# Altium PCB LED fix910 RD 2000278 (4F00223A_7P00493A).PcbDoc (part 2 of 3)
Units mm, origin at the board's own origin, x right, y up, seen from the top; angles counter-clockwise.
Board outline 400 x 514 mm, 2 copper layers (Top Layer, Bottom Layer); 391 components, 180 nets, 1316 pads, 0 vias.
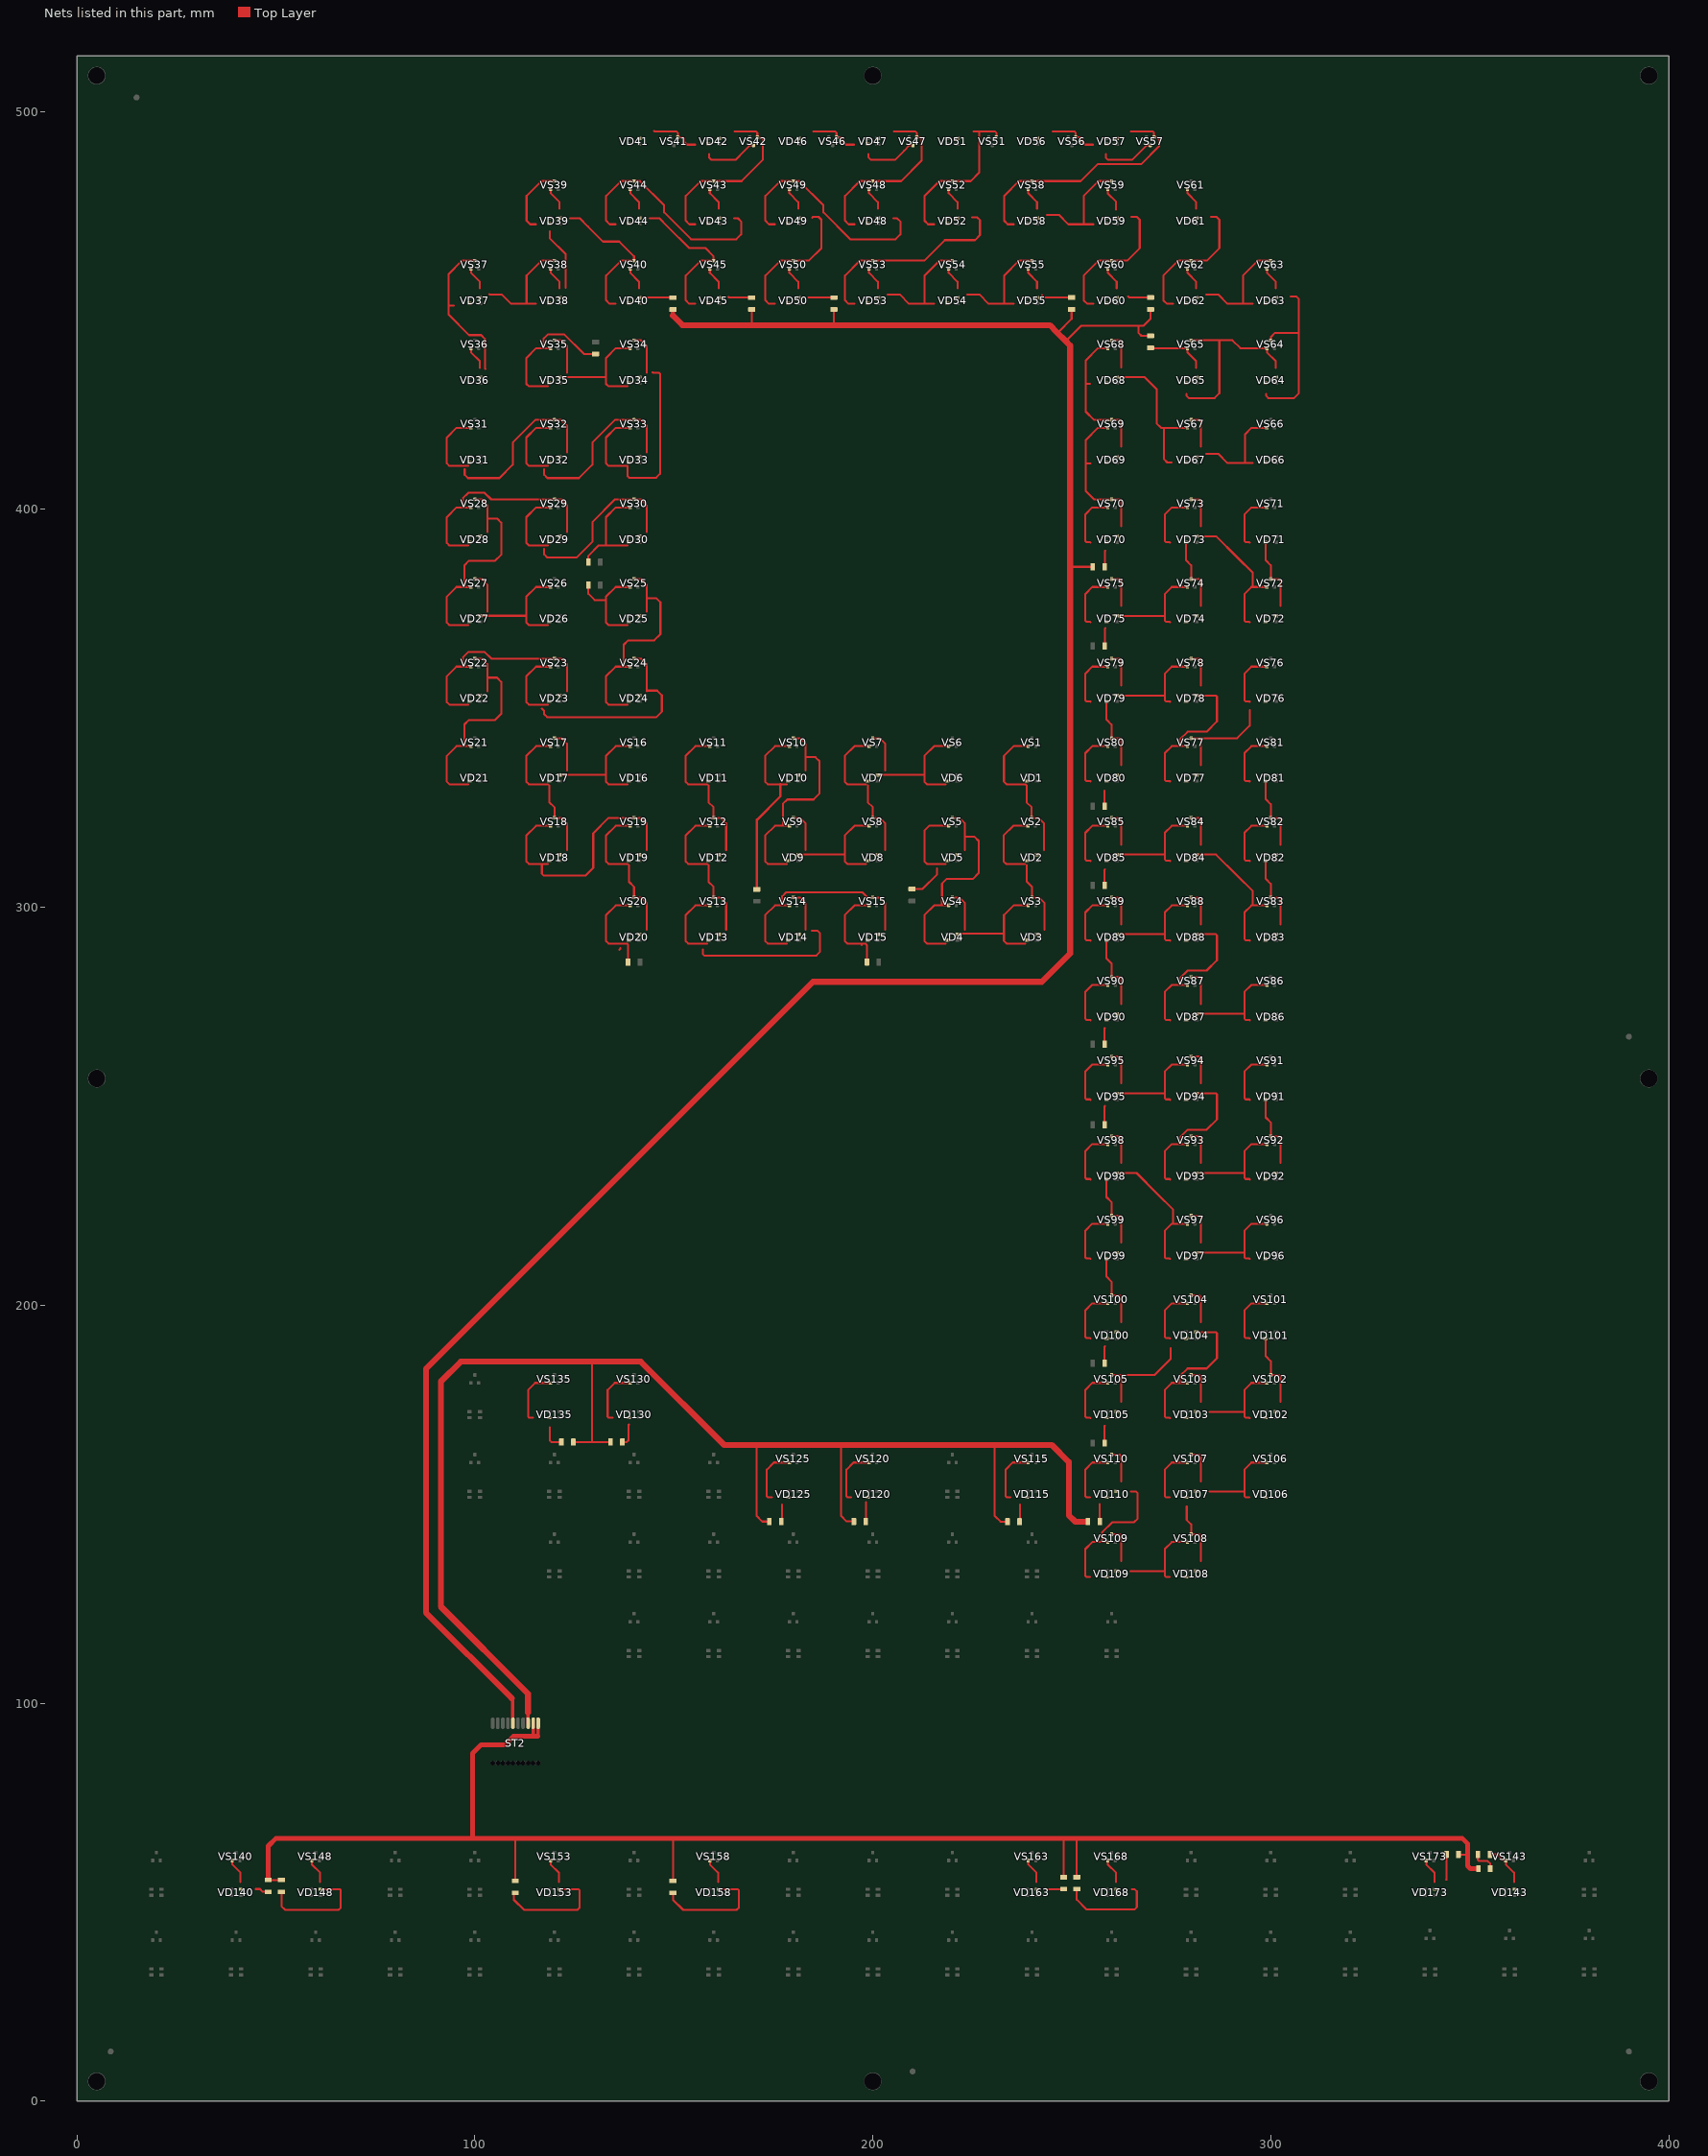
[diagram p2: the nets of this part, all layers, seen from the top]

## Nets (pads, with @x,y where several pads share a name; then routed paths per layer and width w, separated by ;. In a path a pad name is that pad's centre, name@x,y a point inside that pad or via, vN(x,y) a via of type N, cw(c..) or ccw(c..) an arc to the next point about the centre after c; other vN are vias at no path point) (continued)
D: R8.2 R9.2 R10.2 R11.2 R12.2 R13.2 R14.2 ST2.5 | length 612.6
  Top Layer w0.5: 169.55,446.275 169.584,446.309 R9.2@169.584,450.225 ; 190.05,446.275 190.219,446.444 R10.2@190.219,450.225 ; 246.175,444.575 246.65,444.575 249.95,447.875 R11.2@249.95,450.25 ; 248.463,442.287 252.325,446.15 266.675,446.15 ; 249.575,385.75 249.75,385.575 R14.2@255.275,385.575 ; R13.2@269.786,443.625 267.5,443.625 266.8,444.325 266.8,446.025 266.675,446.15 ; R12.2@269.786,450.25 269.786,447.911 268.025,446.15 266.675,446.15
  Top Layer w0.8: 109.25,101.275 109.465,101.06 109.465,96.165 109.58,96.05 ST2.5@109.58,95
  Top Layer w1: 149.775,448.7 149.775,450 R8.2@149.8,450.025
  Top Layer w1.5: 109.25,101.275 87.725,122.8 87.725,184.025 184.975,281.275 242.45,281.275 249.575,288.4 249.575,385.75 249.575,441.175 248.463,442.287 246.175,444.575 244.475,446.275 190.05,446.275 169.55,446.275 152.2,446.275 149.775,448.7
F: R22.2 R23.2 R24.2 R25.2 R26.2 R27.2 ST2.8 | length 378.2
  Top Layer w0.5: R27.2@124.75,165.65 129.412,165.65 ; 129.325,185.85 129.412,185.763 129.412,165.65 ; R26.2@134.075,165.65 129.412,165.65 ; 170.8,164.9 170.8,147.1 172.225,145.675 R25.2@174.025,145.675 ; 192.025,164.904 192.025,164.9 192.025,147.104 193.45,145.679 R24.2@195.25,145.679 ; 230.65,164.85 230.65,147.05 232.075,145.625 R23.2@233.875,145.625
  Top Layer w0.8: 113.376,97.675 113.39,97.661 ST2.8@113.39,95
  Top Layer w1.5: 113.376,97.675 113.376,102.374 91.475,124.275 91.475,180.875 96.45,185.85 129.325,185.85 141.675,185.85 162.625,164.9 170.8,164.9 192.025,164.9 230.65,164.9 244.975,164.9 249.275,160.6 249.275,147.2 250.85,145.625 R22.2@253.725,145.625
G: R28.2 R30.2 R31.2 R32.2 R33.2 R34.2 R35.2 R36.2 ST2.9 ST2.10 | length 411.5
  Top Layer w0.5: R28.2@48.079,55.6 R31.2@51.425,55.6 ; 110.15,66.075 110.163,66.062 R32.2@110.163,55.35 ; 149.525,66.075 149.81,65.79 R33.2@149.81,55.35 ; 247.9,66.075 247.957,66.018 R34.2@247.957,56.3 ; R35.2@251.25,56.3 251.25,66.05 251.275,66.075 ; R36.2@347.155,62.025 347.228,61.951 349.425,61.951
  Top Layer w0.8: 114.66,91.95 ST2.9@114.66,95 ; 115.819,91.675 115.93,91.786 ST2.10@115.93,95
  Top Layer w1.2: R28.2@48.079,55.825 48.079,64.104 50.05,66.075 110.15,66.075 149.525,66.075 247.9,66.075 251.275,66.075 348.1,66.075 349.425,64.75 349.425,61.951 349.425,59.153 350.128,58.45 R30.2@352.093,58.45 ; 99.45,66.778 99.45,87.425 101.575,89.55 107.575,89.55 109.7,91.675 115.819,91.675
NetR1_1: R1.1 VD5.1 VS5.1 | length 29.3
  Top Layer w0.5: R1.1@209.857,304.626 212.501,304.626 216.15,308.275 216.15,309.75 ; 214.85,320.525 214.825,320.5 ; 218.332,310.925 213.6,310.925 212.95,311.575 212.95,319.275 214.175,320.5 214.825,320.5 ; VS5.1@219.05,320.5 214.825,320.5
NetR2_1: R2.1 VD10.1 VS10.1 | length 48.1
  Top Layer w0.5: 178.332,330.925 176.825,330.925 173.6,330.925 172.95,331.575 172.95,338.05 175.4,340.5 VS10.1@179.05,340.5
  Top Layer w0.6: R2.1@170.855,304.52 170.9,304.565 170.9,322.025 176.825,327.95 176.825,330.925
NetR3_1: R3.1 VD15.1 VS15.1 | length 23.5
  Top Layer w0.5: 198.332,290.925 193.6,290.925 192.95,291.575 192.95,298.05 195.4,300.5 VS15.1@199.05,300.5 ; 198.425,290.55 198.5,290.475 R3.1@198.5,286.285
NetR4_1: R4.1 VD20.1 VS20.1 | length 24.2
  Top Layer w0.5: 136.3,289.35 136.525,289.575 136.525,289.8 ; 138.332,290.925 133.6,290.925 132.95,291.575 132.95,298.05 135.4,300.5 VS20.1@139.05,300.5 ; 138.475,290.6 138.5,290.575 R4.1@138.5,286.22
NetR5_1: R5.1 VD25.1 VS25.1 | length 26.5
  Top Layer w0.5: R5.1@128.525,380.95 128.525,378.8 130.1,377.225 132.95,377.225 ; 138.332,370.925 133.6,370.925 132.95,371.575 132.95,377.225 ; VS25.1@139.05,380.5 135.4,380.5 132.95,378.05 132.95,377.225
NetR6_1: R6.1 VD30.1 VS30.1 | length 26.6
  Top Layer w0.5: R6.1@128.525,386.75 128.525,388.325 131.125,390.925 138.332,390.925 ; 132.95,391.025 132.95,398.05 135.4,400.5 VS30.1@139.05,400.5
NetR7_1: R7.1 VD35.1 VS35.1 | length 37.2
  Top Layer w0.5: 118.332,430.925 113.6,430.925 112.95,431.575 112.95,438.05 115.4,440.5 117.325,440.5 ; VS35.1@119.05,440.5 117.325,440.5 ; R7.1@130.35,439.05 127.4,439.05 122.425,444.025 118.4,444.025 117.325,442.95 117.325,440.5
NetR8_1: R8.1 VD40.1 VS40.1 | length 14.4
  Top Layer w0.5: VS40.1@139.05,460.5 139.05,459.45 141.275,457.225 141.275,455.6 ; VD40.1@141.3,453.25 149.575,453.25 R8.1@149.8,453.025
NetR9_1: R9.1 VD45.1 VS45.1 | length 11.7
  Top Layer w0.5: VS45.1@159.05,460.5 159.05,459.45 161.275,457.225 161.275,455.6 ; 163.75,453.375 163.9,453.225 R9.1@169.584,453.225
NetR10_1: R10.1 VD50.1 VS50.1 | length 12.2
  Top Layer w0.5: VS50.1@179.05,460.5 179.05,459.45 181.275,457.225 181.275,455.6 ; 183.875,453.225 R10.1@190.219,453.225
NetR11_1: R11.1 VD55.1 VS55.1 | length 13.5
  Top Layer w0.5: VS55.1@239.05,460.5 239.05,459.45 241.275,457.225 241.275,455.6 ; 242.5,453.85 243.1,453.25 R11.1@249.95,453.25
NetR12_1: R12.1 VD60.1 VS60.1 | length 11.6
  Top Layer w0.5: VS60.1@259.05,460.5 259.05,459.45 261.275,457.225 261.275,455.6 ; 264.125,453.55 264.425,453.25 R12.1@269.786,453.25
NetR13_1: R13.1 VD65.1 VS65.1 | length 15.1
  Top Layer w0.5: R13.1@269.786,440.625 269.911,440.5 VS65.1@279.05,440.5 279.05,439.45 281.275,437.225 281.275,435.6
NetR14_1: R14.1 VD70.1 VS70.1 | length 18.8
  Top Layer w0.5: 254.725,391.625 254.6,391.75 253.668,391.75 253.375,392.043 253.375,398.725 255.15,400.5 VS70.1@259.05,400.5 ; R14.1@258.275,385.575 258.275,389.5 258.425,389.65
NetR15_1: R15.1 VD75.1 VS75.1 | length 19.3
  Top Layer w0.5: 254.725,371.625 254.6,371.75 253.668,371.75 253.375,372.043 253.375,378.725 255.15,380.5 VS75.1@259.05,380.5 ; R15.1@258.275,365.667 258.275,370.05 258.475,370.25
NetR16_1: R16.1 VD80.1 VS80.1 | length 18.6
  Top Layer w0.5: 254.725,331.625 254.6,331.75 253.668,331.75 253.375,332.043 253.375,338.725 255.15,340.5 VS80.1@259.05,340.5 ; 258.175,329.35 258.25,329.275 R16.1@258.25,325.412
NetR17_1: R17.1 VD85.1 VS85.1 | length 18.7
  Top Layer w0.5: 254.725,311.625 254.6,311.75 253.668,311.75 253.375,312.043 253.375,318.725 255.15,320.5 VS85.1@259.05,320.5 ; R17.1@258.25,305.532 258.25,309.475 258.35,309.575
NetR18_1: R18.1 VD90.1 VS90.1 | length 18.7
  Top Layer w0.5: 254.725,271.625 254.6,271.75 253.668,271.75 253.375,272.043 253.375,278.725 255.15,280.5 VS90.1@259.05,280.5 ; R18.1@258.25,265.648 258.25,269.6 258.325,269.675
NetR19_1: R19.1 VD95.1 VS95.1 | length 19.4
  Top Layer w0.5: 254.725,251.625 254.6,251.75 253.668,251.75 253.375,252.043 253.375,258.725 255.15,260.5 VS95.1@259.05,260.5 ; R19.1@258.25,245.352 258.25,250.025 258.325,250.1
NetR20_1: R20.1 VD100.1 VS100.1 | length 18.9
  Top Layer w0.5: 254.725,191.625 254.6,191.75 253.668,191.75 253.375,192.043 253.375,198.725 255.15,200.5 VS100.1@259.05,200.5 ; R20.1@258.25,185.434 258.25,189.625 258.3,189.675
NetR21_1: R21.1 VD105.1 VS105.1 | length 19
  Top Layer w0.5: 254.725,171.625 254.6,171.75 253.668,171.75 253.375,172.043 253.375,178.725 255.15,180.5 VS105.1@259.05,180.5 ; R21.1@258.25,165.377 258.25,169.675 258.3,169.725
NetR22_1: R22.1 VD110.1 VS110.1 | length 18.9
  Top Layer w0.5: 254.6,151.75 253.668,151.75 253.375,152.043 253.375,158.725 255.15,160.5 VS110.1@259.05,160.5 ; 257,150.025 257.05,149.975 R22.1@257.05,145.625
NetR23_1: R23.1 VD115.1 VS115.1 | length 18.8
  Top Layer w0.5: 234.6,151.75 233.668,151.75 233.375,152.043 233.375,158.725 235.15,160.5 VS115.1@239.05,160.5 ; R23.1@236.875,145.625 237.025,145.775 237.025,149.925
NetR24_1: R24.1 VD120.1 VS120.1 | length 19.3
  Top Layer w0.5: 194.6,151.75 193.668,151.75 193.375,152.043 193.375,158.725 195.15,160.5 VS120.1@199.05,160.5 ; R24.1@198.25,145.679 198.325,145.754 198.325,150.5
NetR25_1: R25.1 VD125.1 VS125.1 | length 18.7
  Top Layer w0.5: 174.6,151.75 173.668,151.75 173.375,152.043 173.375,158.725 175.15,160.5 VS125.1@179.05,160.5 ; R25.1@177.025,145.675 177.225,145.875 177.225,149.9
NetR26_1: R26.1 VD130.1 VS130.1 | length 20.2
  Top Layer w0.5: 134.6,171.75 133.668,171.75 133.375,172.043 133.375,178.725 135.15,180.5 VS130.1@139.05,180.5 ; R26.1@137.075,165.65 138.175,165.65 138.625,166.1 138.625,169.95 138.725,170.05
NetR27_1: R27.1 VD135.1 VS135.1 | length 20.9
  Top Layer w0.5: 114.6,171.75 113.668,171.75 113.375,172.043 113.375,178.725 115.15,180.5 VS135.1@119.05,180.5 ; 118.825,169.4 118.825,166.05 119.225,165.65 R27.1@121.75,165.65
NetR28_1: R28.1 VD140.1 VS140.1 | length 9.6
  Top Layer w0.5: VS140.1@39.06,60.49 39.06,59.508 41.135,57.433 41.135,55.083 ; 45,53.325 46.025,53.325 46.722,52.628 48.051,52.628 R28.1@48.079,52.6
NetR29_1: R29.1 VD143.1 VS143.1 | length 10.9
  Top Layer w0.5: R29.1@355.05,62.025 356.85,62.025 358.286,60.589 358.936,60.589 VS143.1@359.037,60.488 ; VS143.1@359.06,60.49 359.06,59.508 361.135,57.433 361.135,55.083
NetR29_2: R29.2 R30.1 | length 6.6
  Top Layer w0.5: R29.2@352.05,62.025 352.05,60.65 352.35,60.35 354.5,60.35 355.15,59.7 R30.1@355.15,58
NetR31_1: R31.1 VD148.1 VS148.1 | length 34.9
  Top Layer w0.5: R31.1@51.425,52.6 51.425,49 52.35,48.075 65.75,48.075 66.3,48.625 66.3,53.05 66.1,53.25 VD148.1@61.3,53.25 ; VS148.1@59.06,60.49 59.06,59.508 61.135,57.433 61.135,55.083
NetR32_1: R32.1 VD153.1 VS153.1 | length 35.3
  Top Layer w0.5: R32.1@109.81,52.35 109.81,50.615 112.35,48.075 125.75,48.075 126.3,48.625 126.3,53.05 126.1,53.25 VD153.1@121.3,53.25 ; VS153.1@119.06,60.49 119.06,59.508 121.135,57.433 121.135,55.083
NetR33_1: R33.1 VD158.1 VS158.1 | length 35.3
  Top Layer w0.5: R33.1@149.81,52.35 149.81,50.615 152.35,48.075 165.75,48.075 166.3,48.625 166.3,53.05 166.1,53.25 VD158.1@161.3,53.25 ; VS158.1@159.06,60.49 159.06,59.508 161.135,57.433 161.135,55.083
NetR34_1: R34.1 VD163.1 VS163.1 | length 11
  Top Layer w0.5: VS163.1@239.06,60.49 239.06,59.508 241.135,57.433 241.135,55.083 ; 243.35,53.525 243.575,53.3 R34.1@247.957,53.3
NetR35_1: R35.1 VD168.1 VS168.1 | length 30.7
  Top Layer w0.5: R35.1@251.25,53.3 251.25,50.65 253.75,48.15 265.725,48.15 266.35,48.775 266.35,52.725 265.85,53.225 265.175,53.225 265.1,53.3 ; VS168.1@259.06,60.49 259.06,59.508 261.135,57.433 261.135,55.083
NetR36_1: R36.1 VD173.1 VS173.1 | length 12.7
  Top Layer w0.5: VS173.1@339.06,60.49 339.06,59.508 341.135,57.433 341.135,55.083 ; 344.1,55.625 344.155,55.68 R36.1@344.155,62.025
NetVD1_1: VD1.1 VD2.2 VS1.1 VS2.3 | length 38.8
  Top Layer w0.5: VS1.1@239.05,340.5 235.4,340.5 232.95,338.05 232.95,331.575 233.6,330.925 238.332,330.925 238.625,330.632 238.625,326.425 239.9,325.15 VS2.3@239.9,322.5 241.65,322.5 243.05,321.1 243.05,314.35
NetVD2_1: VD2.1 VD3.2 VS2.1 VS3.3 | length 38.4
  Top Layer w0.5: 238.232,310.925 233.5,310.925 232.85,311.575 232.85,318.05 235.3,320.5 VS2.1@238.95,320.5 ; 238.725,310.632 238.725,306.425 240,305.15 VS3.3@240,302.5 241.75,302.5 243.15,301.1 243.15,294.35
NetVD3_1: VD3.1 VD4.2 VS3.1 VS4.3 | length 41.4
  Top Layer w0.5: VS4.3@220,302.5 221.75,302.5 223.15,301.1 223.15,294.35 ; VD4.2@221.3,293.25 221.45,293.4 232.95,293.4 ; 238.332,290.925 233.6,290.925 232.95,291.575 232.95,293.4 ; VS3.1@239.05,300.5 235.4,300.5 232.95,298.05 232.95,293.4
NetVD4_1: VD4.1 VD5.2 VS4.1 VS5.3 | length 57.5
  Top Layer w0.5: 218.332,290.925 213.6,290.925 212.95,291.575 212.95,298.05 215.4,300.5 217.4,300.5 ; VS4.1@219.05,300.5 217.4,300.5 ; VS5.3@220,322.5 221.75,322.5 223.15,321.1 223.15,317.725 ; 223.15,314.35 223.15,317.725 ; 217.4,300.5 217.4,305.975 218.525,307.1 225.1,307.1 226.625,308.625 226.625,316.675 225.575,317.725 223.15,317.725
NetVD6_1: VD6.1 VD7.2 VS6.1 VS7.3 | length 40.8
  Top Layer w0.5: VS7.3@200,342.5 201.75,342.5 203.15,341.1 203.15,334.35 ; VD7.2@201.743,333.275 212.8,333.275 ; 218.332,330.925 213.6,330.925 212.95,331.575 212.95,338.05 215.4,340.5 VS6.1@219.05,340.5
NetVD7_1: VD7.1 VD8.2 VS7.1 VS8.3 | length 38.4
  Top Layer w0.5: 198.332,330.925 193.6,330.925 192.95,331.575 192.95,338.05 195.4,340.5 VS7.1@199.05,340.5 ; 198.725,330.632 198.725,326.425 200,325.15 VS8.3@200,322.5 201.75,322.5 203.15,321.1 203.15,314.35
NetVD8_1: VD8.1 VD9.2 VS8.1 VS9.3 | length 40.8
  Top Layer w0.5: VS9.3@180,322.5 181.75,322.5 183.15,321.1 183.15,314.35 ; VD9.2@181.743,313.275 192.8,313.275 ; 198.332,310.925 193.6,310.925 192.95,311.575 192.95,318.05 195.4,320.5 VS8.1@199.05,320.5
NetVD9_1: VD9.1 VD10.2 VS9.1 VS10.3 | length 57.5
  Top Layer w0.5: 177.4,320.5 177.4,325.975 178.525,327.1 185.1,327.1 186.625,328.625 186.625,336.675 185.575,337.725 183.15,337.725 ; 178.332,310.925 173.6,310.925 172.95,311.575 172.95,318.05 175.4,320.5 VS9.1@179.05,320.5 ; VS10.3@180,342.5 181.75,342.5 183.15,341.1 183.15,334.35
NetVD11_1: VD11.1 VD12.2 VS11.1 VS12.3 | length 38.4
  Top Layer w0.5: 158.332,330.925 153.6,330.925 152.95,331.575 152.95,338.05 155.4,340.5 VS11.1@159.05,340.5 ; 158.725,330.632 158.725,326.425 160,325.15 VS12.3@160,322.5 161.75,322.5 163.15,321.1 163.15,314.35
NetVD12_1: VD12.1 VD13.2 VS12.1 VS13.3 | length 38.4
  Top Layer w0.5: 158.332,310.925 153.6,310.925 152.95,311.575 152.95,318.05 155.4,320.5 VS12.1@159.05,320.5 ; 158.725,310.632 158.725,306.425 160,305.15 VS13.3@160,302.5 161.75,302.5 163.15,301.1 163.15,294.35
NetVD13_1: VD13.1 VD14.2 VS13.1 VS14.3 | length 67.9
  Top Layer w0.5: 157.35,289.45 157.35,288.193 157.643,287.9 185.825,287.9 186.7,288.775 186.7,293.55 186.1,294.15 184.65,294.15 ; 158.332,290.925 153.6,290.925 152.95,291.575 152.95,298.05 155.4,300.5 VS13.1@159.05,300.5 ; VS14.3@180,302.5 181.75,302.5 183.15,301.1 183.15,294.35
NetVD14_1: VD14.1 VD15.2 VS14.1 VS15.3 | length 55.7
  Top Layer w0.5: 178.332,290.925 173.6,290.925 172.95,291.575 172.95,298.05 175.4,300.5 177.225,300.5 ; VS14.1@179.05,300.5 177.225,300.5 ; 203.15,294.35 203.15,301.1 201.75,302.5 VS15.3@200,302.5 198.65,302.5 197.375,303.775 178.25,303.775 177.225,302.75 177.225,300.5
NetVD16_1: VD16.1 VD17.2 VS16.1 VS17.3 | length 40.8
  Top Layer w0.5: VS17.3@120,342.5 121.75,342.5 123.15,341.1 123.15,334.35 ; VD17.2@121.743,333.275 132.8,333.275 ; 138.332,330.925 133.6,330.925 132.95,331.575 132.95,338.05 135.4,340.5 VS16.1@139.05,340.5
NetVD17_1: VD17.1 VD18.2 VS17.1 VS18.3 | length 38.4
  Top Layer w0.5: 118.332,330.925 113.6,330.925 112.95,331.575 112.95,338.05 115.4,340.5 VS17.1@119.05,340.5 ; 118.725,330.632 118.725,326.425 120,325.15 VS18.3@120,322.5 121.75,322.5 123.15,321.1 123.15,314.35
NetVD18_1: VD18.1 VD19.2 VS18.1 VS19.3 | length 66.7
  Top Layer w0.5: 118.332,310.925 116.85,310.925 ; VS18.1@119.05,320.5 115.4,320.5 112.95,318.05 112.95,311.575 113.6,310.925 116.85,310.925 ; 143.15,314.35 143.15,321.1 141.75,322.5 VS19.3@140,322.5 133.65,322.5 129.75,318.6 129.75,309.925 127.775,307.95 117.356,307.95 116.85,308.456 116.85,310.925
NetVD19_1: VD19.1 VD20.2 VS19.1 VS20.3 | length 38.4
  Top Layer w0.5: 138.332,310.925 133.6,310.925 132.95,311.575 132.95,318.05 135.4,320.5 VS19.1@139.05,320.5 ; 138.725,310.632 138.725,306.425 140,305.15 VS20.3@140,302.5 141.75,302.5 143.15,301.1 143.15,294.35
NetVD21_1: VD21.1 VD22.2 VS21.1 VS22.3 | length 57.5
  Top Layer w0.5: 97.4,340.5 97.4,345.975 98.525,347.1 105.1,347.1 106.625,348.625 106.625,356.675 105.575,357.725 103.15,357.725 ; 98.332,330.925 93.6,330.925 92.95,331.575 92.95,338.05 95.4,340.5 VS21.1@99.05,340.5 ; VS22.3@100,362.5 101.75,362.5 103.15,361.1 103.15,354.35
NetVD22_1: VD22.1 VD23.2 VS22.1 VS23.3 | length 56.3
  Top Layer w0.5: 98.332,350.925 93.6,350.925 92.95,351.575 92.95,358.05 95.4,360.5 97,360.5 ; VS22.1@99.05,360.5 97,360.5 ; 123.15,354.35 123.15,361.1 121.75,362.5 VS23.3@120,362.5 104.125,362.5 102.425,364.2 98.425,364.2 97,362.775 97,360.5
NetVD23_1: VD23.1 VD24.2 VS23.1 VS24.3 | length 69.9
  Top Layer w0.5: 116.85,349.95 117.45,349.35 117.45,348.5 118.15,347.8 145.625,347.8 147,349.175 147,353.275 145.8,354.475 143.55,354.475 143.525,354.45 ; 118.332,350.925 113.6,350.925 112.95,351.575 112.95,358.05 115.4,360.5 VS23.1@119.05,360.5 ; VS24.3@140,362.5 141.75,362.5 143.15,361.1 143.15,354.35
NetVD24_1: VD24.1 VD25.2 VS24.1 VS25.3 | length 57.5
  Top Layer w0.5: 137.4,360.5 137.4,365.975 138.525,367.1 145.1,367.1 146.625,368.625 146.625,376.675 145.575,377.725 143.15,377.725 ; 138.332,350.925 133.6,350.925 132.95,351.575 132.95,358.05 135.4,360.5 VS24.1@139.05,360.5 ; VS25.3@140,382.5 141.75,382.5 143.15,381.1 143.15,374.35
NetVD26_1: VD26.1 VD27.2 VS26.1 VS27.3 | length 40.8
  Top Layer w0.5: VS27.3@100,382.5 101.75,382.5 103.15,381.1 103.15,374.35 ; VD27.2@101.743,373.275 112.8,373.275 ; 118.332,370.925 113.6,370.925 112.95,371.575 112.95,378.05 115.4,380.5 VS26.1@119.05,380.5
NetVD27_1: VD27.1 VD28.2 VS27.1 VS28.3 | length 57.5
  Top Layer w0.5: 97.4,380.5 97.4,385.975 98.525,387.1 105.1,387.1 106.625,388.625 106.625,396.675 105.575,397.725 103.15,397.725 ; 98.332,370.925 93.6,370.925 92.95,371.575 92.95,378.05 95.4,380.5 VS27.1@99.05,380.5 ; VS28.3@100,402.5 101.75,402.5 103.15,401.1 103.15,394.35
NetVD28_1: VD28.1 VD29.2 VS28.1 VS29.3 | length 56.3
  Top Layer w0.5: 97,400.5 97,402.775 98.425,404.2 102.425,404.2 104.125,402.5 VS29.3@120,402.5 121.75,402.5 123.15,401.1 123.15,394.35 ; 98.332,390.925 93.6,390.925 92.95,391.575 92.95,398.05 95.4,400.5 VS28.1@99.05,400.5
NetVD29_1: VD29.1 VD30.2 VS29.1 VS30.3 | length 62.9
  Top Layer w0.5: 117.45,390.05 117.45,388.675 118.25,387.875 125.525,387.875 129.525,391.875 129.525,396.825 135.2,402.5 VS30.3@140,402.5 141.75,402.5 143.15,401.1 143.15,394.35 ; 118.332,390.925 113.6,390.925 112.95,391.575 112.95,398.05 115.4,400.5 VS29.1@119.05,400.5
NetVD31_1: VD31.1 VD32.2 VS31.1 VS32.3 | length 63.3
  Top Layer w0.5: 97.45,410.05 97.45,408.675 98.25,407.875 106.175,407.875 109.525,411.225 109.525,416.825 115.2,422.5 VS32.3@120,422.5 121.75,422.5 123.15,421.1 123.15,414.35 ; 98.332,410.925 93.6,410.925 92.95,411.575 92.95,418.05 95.4,420.5 VS31.1@99.05,420.5
NetVD32_1: VD32.1 VD33.2 VS32.1 VS33.3 | length 64
  Top Layer w0.5: 117.45,410.05 117.45,408.675 118.25,407.875 126.175,407.875 129.525,411.225 129.525,416.825 135.2,422.5 VS33.3@140,422.5 141.75,422.5 143.15,421.1 143.15,414.35 ; 118.332,410.925 113.6,410.925 112.95,411.575 112.95,418.05 115.4,420.5 VS32.1@119.05,420.5 ; VD33.2@141.3,413.25 141.45,413.4 141.868,413.4 141.893,413.425
NetVD33_1: VD33.1 VD34.2 VS33.1 VS34.3 | length 68.2
  Top Layer w0.5: VS33.1@139.05,420.5 135.4,420.5 132.95,418.05 132.95,411.575 133.6,410.925 138.332,410.925 138.332,408.418 138.8,407.95 145.55,407.95 146.55,408.95 146.55,434.057 146.257,434.35 144.75,434.35 144.65,434.45 ; VS34.3@140,442.5 141.75,442.5 143.15,441.1 143.15,434.35
NetVD34_1: VD34.1 VD35.2 VS34.1 VS35.3 | length 40.8
  Top Layer w0.5: VS35.3@120,442.5 121.75,442.5 123.15,441.1 123.15,434.35 ; VD35.2@121.743,433.275 132.8,433.275 ; 138.332,430.925 133.6,430.925 132.95,431.575 132.95,438.05 135.4,440.5 VS34.1@139.05,440.5
NetVD36_1: VD36.1 VD37.2 VS36.1 VS37.3 | length 44.7
  Top Layer w0.5: 94.75,451.2 93.4,451.2 ; VS36.1@99.05,440.5 99.05,439.45 101.275,437.225 101.275,435.6 ; VS37.3@100,462.5 96.75,462.5 93.4,459.15 93.4,451.2 ; 102.65,435.25 102.55,435.35 102.55,442.85 101.6,443.8 98.55,443.8 93.4,448.95 93.4,451.2
NetVD37_1: VD37.1 VD38.2 VS37.1 VS38.3 | length 34.3
  Top Layer w0.5: VS37.1@99.05,460.5 99.05,459.45 101.275,457.225 101.275,455.6 ; 103.625,454.1 103.725,454 106.775,454 109.125,451.65 113,451.65 ; 115.4,451.65 113,451.65 ; VS38.3@120,462.5 116.725,462.5 113,458.775 113,451.65
NetVD38_1: VD38.1 VD39.2 VS38.1 VS39.3 | length 39.2
  Top Layer w0.5: 115.4,471.65 113.9,471.65 113,472.55 113,478.775 116.725,482.5 VS39.3@120,482.5 ; 118.825,469.85 118.825,468.125 122.825,464.125 122.825,455.65 ; VS38.1@119.05,460.5 119.05,459.45 121.275,457.225 121.275,455.6
NetVD39_1: VD39.1 VD40.2 VS39.1 VS40.3 | length 44.5
  Top Layer w0.5: VS39.1@119.05,480.5 119.05,479.45 121.275,477.225 121.275,475.6 ; 123.935,473.15 126.35,473.15 128.425,471.075 132.2,467.3 136.3,467.3 140,463.6 VS40.3@140,462.5 136.725,462.5 133,458.775 133,452.55 133.9,451.65 135.4,451.65
NetVD41_1: VD41.1 VD42.2 VS41.1 VS42.3 | length 26.7
  Top Layer w0.5: 145,495.125 145.2,494.925 150.691,494.925 150.984,494.632 VS41.1@150.984,493.5 152.282,493.5 152.575,493.207 152.575,492.45 153.375,491.65 155.325,491.65 ; 158.859,489.3 158.859,488.425 159.459,487.825 165.5,487.825 167.775,490.1 169.175,491.5 VS42.3@170.043,491.5
NetVD42_1: VD42.1 VD43.2 VS42.1 VS43.3 | length 45.8
  Top Layer w0.5: 155.4,471.65 153.9,471.65 153,472.55 153,478.775 156.725,482.5 VS43.3@160,482.5 167,482.5 172.4,487.9 172.4,492.85 171.797,493.453 171.04,493.453 VS42.1@170.993,493.5 170.993,494.632 170.7,494.925 165.209,494.925
NetVD43_1: VD43.1 VD44.2 VS43.1 VS44.3 | length 63.2
  Top Layer w0.5: 135.4,471.65 133.9,471.65 133,472.55 133,478.775 136.725,482.5 VS44.3@140,482.5 141.475,482.5 147.575,476.4 147.575,474.625 154.325,467.875 165.725,467.875 166.925,469.075 166.925,472.325 166.1,473.15 165.175,473.15 ; VS43.1@159.05,480.5 159.05,479.45 161.275,477.225 161.275,475.6
NetVD44_1: VD44.1 VD45.2 VS44.1 VS45.3 | length 44.5
  Top Layer w0.5: VS44.1@139.05,480.5 139.05,479.45 141.275,477.225 141.275,475.6 ; 143.935,473.15 146.35,473.15 148.425,471.075 153.825,465.675 157.925,465.675 160,463.6 VS45.3@160,462.5 156.725,462.5 153,458.775 153,452.55 153.9,451.65 155.4,451.65
NetVD46_1: VD46.1 VD47.2 VS46.1 VS47.3 | length 26.4
  Top Layer w0.5: 185.094,494.925 190.585,494.925 190.878,494.632 VS46.1@190.878,493.5 192.176,493.5 192.469,493.207 192.469,492.45 193.269,491.65 195.219,491.65 ; 198.912,489.3 198.912,488.425 199.512,487.825 205.553,487.825 207.828,490.1 209.228,491.5 VS47.3@210.096,491.5
NetVD47_1: VD47.1 VD48.2 VS47.1 VS48.3 | length 45.8
  Top Layer w0.5: 195.4,471.65 193.9,471.65 193,472.55 193,478.775 196.725,482.5 VS48.3@200,482.5 207.125,482.5 212.275,487.65 212.275,493.125 211.9,493.5 VS47.1@211.046,493.5 211.046,494.632 210.753,494.925 205.262,494.925
NetVD48_1: VD48.1 VD49.2 VS48.1 VS49.3 | length 63.2
  Top Layer w0.5: 175.4,471.65 173.9,471.65 173,472.55 173,478.775 176.725,482.5 VS49.3@180,482.5 181.475,482.5 187.575,476.4 187.575,474.625 194.325,467.875 205.725,467.875 206.925,469.075 206.925,472.325 206.1,473.15 205.175,473.15 ; VS48.1@199.05,480.5 199.05,479.45 201.275,477.225 201.275,475.6
NetVD49_1: VD49.1 VD50.2 VS49.1 VS50.3 | length 41.6
  Top Layer w0.5: 175.4,451.65 173.9,451.65 173,452.55 173,458.775 176.725,462.5 VS50.3@180,462.5 183.925,462.5 187.075,465.65 187.075,472.8 186.35,473.525 184.975,473.525 184.775,473.325 ; VS49.1@179.05,480.5 179.05,479.45 181.275,477.225 181.275,475.6
NetVD51_1: VD51.1 VD52.2 VS51.1 VS52.3 | length 42.5
  Top Layer w0.5: 215.4,471.65 213.9,471.65 213,472.55 213,478.775 216.725,482.5 VS52.3@220,482.5 224.6,482.5 226.7,484.6 226.7,494.925 ; 225.247,494.925 226.7,494.925 ; VS51.1@231.031,493.5 231.031,494.632 230.738,494.925 226.7,494.925
NetVD52_1: VD52.1 VD53.2 VS52.1 VS53.3 | length 59
  Top Layer w0.5: 195.4,451.65 193.9,451.65 193,452.55 193,458.775 196.725,462.5 VS53.3@200,462.5 212.9,462.5 218.075,467.675 225.675,467.675 226.925,468.925 226.925,472.7 226.25,473.375 224.975,473.375 ; VS52.1@219.05,480.5 219.05,479.45 221.275,477.225 221.275,475.6
NetVD53_1: VD53.1 VD54.2 VS53.1 VS54.3 | length 34.1
  Top Layer w0.5: VS53.1@199.05,460.5 199.05,459.45 201.275,457.225 201.275,455.6 ; 203.725,454 206.775,454 209.125,451.65 213.9,451.65 215.4,451.65 ; 213,451.725 213,458.775 216.725,462.5 VS54.3@220,462.5
NetVD54_1: VD54.1 VD55.2 VS54.1 VS55.3 | length 35.5
  Top Layer w0.5: VS54.1@219.05,460.5 219.05,459.45 221.275,457.225 221.275,455.6 ; 223.725,454 226.775,454 229.125,451.65 235.4,451.65 233.9,451.65 ; 233,451.75 233,458.775 236.725,462.5 VS55.3@240,462.5
NetVD56_1: VD56.1 VD57.2 VS56.1 VS57.3 | length 26.4
  Top Layer w0.5: 245.202,494.925 250.693,494.925 250.986,494.632 VS56.1@250.986,493.5 252.284,493.5 252.577,493.207 252.577,492.45 253.377,491.65 255.327,491.65 ; 258.532,489.3 258.532,488.425 259.132,487.825 265.173,487.825 267.448,490.1 268.848,491.5 VS57.3@269.715,491.5
NetVD57_1: VD57.1 VD58.2 VS57.1 VS58.3 | length 63.4
  Top Layer w0.5: 235.4,471.65 233.9,471.65 233,472.55 233,478.775 236.725,482.5 VS58.3@240,482.5 252.225,482.5 256.475,486.75 267.4,486.75 271.95,491.3 271.95,493.05 271.509,493.491 270.674,493.491 VS57.1@270.665,493.5 270.665,494.632 270.373,494.925 264.882,494.925
NetVD58_1: VD58.1 VD59.2 VS58.1 VS59.3 | length 35.6
  Top Layer w0.5: VS58.1@239.05,480.5 239.05,479.45 241.275,477.225 241.275,475.6 ; 243.725,474 246.775,474 249.125,471.65 255.4,471.65 253.9,471.65 ; 253,471.725 253,478.775 256.725,482.5 VS59.3@260,482.5
NetVD59_1: VD59.1 VD60.2 VS59.1 VS60.3 | length 41.5
  Top Layer w0.5: 255.4,451.65 253.9,451.65 253,452.55 253,458.775 256.725,462.5 VS60.3@260,462.5 263.925,462.5 267.075,465.65 267.075,472.8 266.35,473.525 264.975,473.525 ; VS59.1@259.05,480.5 259.05,479.375 261.15,477.275 261.15,475.35
NetVD61_1: VD61.1 VD62.2 VS61.1 VS62.3 | length 41.3
  Top Layer w0.5: 275.4,451.65 273.9,451.65 273,452.55 273,458.775 276.725,462.5 VS62.3@280,462.5 283.925,462.5 287.075,465.65 287.075,472.8 286.35,473.525 284.975,473.525 ; VS61.1@279.05,480.5 279.05,479.45 281.275,477.225 281.275,475.6
NetVD62_1: VD62.1 VD63.2 VS62.1 VS63.3 | length 35.5
  Top Layer w0.5: VS62.1@279.05,460.5 279.05,459.45 281.275,457.225 281.275,455.6 ; 283.725,454 286.775,454 289.125,451.65 295.4,451.65 293.9,451.65 ; 293,451.75 293,458.775 296.725,462.5 VS63.3@300,462.5
NetVD63_1: VD63.1 VD64.2 VS63.1 VS64.3 | length 49.6
  Top Layer w0.5: 298.85,429.025 298.85,428.5 299.375,427.975 305.875,427.975 307.075,429.175 307.075,444.375 ; VS63.1@299.05,460.5 299.05,459.45 301.275,457.225 301.275,455.6 ; VS64.3@300,442.5 300.026,442.526 300.026,443.326 301.075,444.375 307.075,444.375 ; 304.975,453.525 306.35,453.525 307.075,452.8 307.075,444.375
NetVD64_1: VD64.1 VD65.2 VS64.1 VS65.3 | length 48.5
  Top Layer w0.5: 278.85,429.025 278.85,428.5 279.375,427.975 285.875,427.975 287.075,429.175 287.075,442.5 ; VS65.3@280,442.5 290.375,442.5 292.375,440.5 VS64.1@299.05,440.5 299.05,439.45 301.275,437.225 301.275,435.6
NetVD66_1: VD66.1 VD67.2 VS66.1 VS67.3 | length 35
  Top Layer w0.5: VS67.3@280,422.5 282.025,422.5 282.45,422.075 282.45,415.75 ; 283.725,414 286.775,414 289.125,411.65 293.525,411.65 ; 295.4,411.65 293.525,411.65 ; VS66.1@299.05,420.5 295.175,420.5 293.525,418.85 293.525,411.65
NetVD67_1: VD67.1 VD68.2 VS67.1 VS68.3 | length 47.3
  Top Layer w0.5: VS68.3@260,442.5 262.025,442.5 262.45,442.075 262.45,435.75 262.375,435.675 ; VD68.2@261.3,433.25 268.3,433.25 271.325,430.225 271.325,421.6 272.425,420.5 273.175,420.5 ; 275.075,411.8 274,411.8 273.125,412.675 273.125,420.45 273.175,420.5 ; VS67.1@279.05,420.5 273.175,420.5
NetVD68_1: VD68.1 VD69.2 VS68.1 VS69.3 | length 37.1
  Top Layer w0.5: 254.625,431.55 253.525,431.55 253.5,431.575 ; VS68.1@259.05,440.5 256.6,440.5 253.5,437.4 253.5,431.575 ; 262.45,415.75 262.45,422.075 262.025,422.5 VS69.3@260,422.5 255.575,422.5 253.5,424.575 253.5,431.575
NetVD69_1: VD69.1 VD70.2 VS69.1 VS70.3 | length 37.2
  Top Layer w0.5: 254.675,411.6 253.525,411.6 253.5,411.575 ; VS69.1@259.05,420.5 256.6,420.5 253.5,417.4 253.5,411.575 ; 262.45,395.75 262.45,402.075 262.025,402.5 VS70.3@260,402.5 255.575,402.5 253.5,404.575 253.5,411.575
NetVD71_1: VD71.1 VD72.2 VS71.1 VS72.3 | length 33.4
  Top Layer w0.5: 294.725,391.625 294.6,391.75 293.668,391.75 293.375,392.043 293.375,398.725 295.15,400.5 VS71.1@299.05,400.5 ; VD71.1@298.7,391.75 298.7,387.225 300,385.925 VS72.3@300,382.5 302.025,382.5 302.45,382.075 302.45,375.75
NetVD72_1: VD72.1 VD73.2 VS72.1 VS73.3 | length 45
  Top Layer w0.5: VS73.3@280,402.5 282.025,402.5 282.45,402.075 282.45,395.75 ; VD73.2@281.3,393.25 286.275,393.25 291.475,388.05 295.475,384.05 295.475,380.625 ; 294.725,371.625 294.6,371.75 293.668,371.75 293.375,372.043 293.375,378.725 295.15,380.5 295.475,380.5 VS72.1@299.05,380.5
NetVD73_1: VD73.1 VD74.2 VS73.1 VS74.3 | length 33.4
  Top Layer w0.5: 274.725,391.625 274.6,391.75 273.668,391.75 273.375,392.043 273.375,398.725 275.15,400.5 VS73.1@279.05,400.5 ; VD73.1@278.7,391.75 278.7,387.225 280,385.925 VS74.3@280,382.5 282.025,382.5 282.45,382.075 282.45,375.75
NetVD74_1: VD74.1 VD75.2 VS74.1 VS75.3 | length 35.7
  Top Layer w0.5: VS75.3@260,382.5 262.025,382.5 262.45,382.075 262.45,375.75 ; VD75.2@261.3,373.25 273.35,373.25 273.375,373.225 ; 274.725,371.625 274.6,371.75 273.668,371.75 273.375,372.043 273.375,373.225 ; VS74.1@279.05,380.5 275.15,380.5 273.375,378.725 273.375,373.225
NetVD76_1: VD76.1 VD77.2 VS76.1 VS77.3 | length 41.3
  Top Layer w0.5: VS77.3@280,342.5 291.575,342.5 294.7,345.625 294.7,349.625 ; 282.45,335.75 282.45,342.425 ; 294.725,351.625 294.6,351.75 293.668,351.75 293.375,352.043 293.375,358.725 295.15,360.5 VS76.1@299.05,360.5
NetVD77_1: VD77.1 VD78.2 VS77.1 VS78.3 | length 48
  Top Layer w0.5: 274.725,331.625 274.6,331.75 273.668,331.75 273.375,332.043 273.375,338.725 275.15,340.5 VS77.1@279.05,340.5 ; 277.1,340.5 277.1,342.15 279.075,344.125 283.875,344.125 286.475,346.725 286.475,352.957 286.182,353.25 VD78.2@281.3,353.25 ; VS78.3@280,362.5 282.025,362.5 282.45,362.075 282.45,355.75
NetVD78_1: VD78.1 VD79.2 VS78.1 VS79.3 | length 35.4
  Top Layer w0.5: VS79.3@260,362.5 262.025,362.5 262.45,362.075 262.45,355.75 ; VD79.2@261.3,353.25 273.15,353.25 ; 274.725,351.625 274.6,351.75 273.668,351.75 273.375,352.043 273.375,353.475 273.375,358.725 275.15,360.5 VS78.1@279.05,360.5
NetVD79_1: VD79.1 VD80.2 VS79.1 VS80.3 | length 33.4
  Top Layer w0.5: 254.725,351.625 254.6,351.75 253.668,351.75 253.375,352.043 253.375,358.725 255.15,360.5 VS79.1@259.05,360.5 ; VD79.1@258.7,351.75 258.7,347.225 260,345.925 VS80.3@260,342.5 262.025,342.5 262.45,342.075 262.45,335.75
NetVD81_1: VD81.1 VD82.2 VS81.1 VS82.3 | length 33.4
  Top Layer w0.5: 294.725,331.625 294.6,331.75 293.668,331.75 293.375,332.043 293.375,338.725 295.15,340.5 VS81.1@299.05,340.5 ; VD81.1@298.7,331.75 298.7,327.225 300,325.925 VS82.3@300,322.5 302.025,322.5 302.45,322.075 302.45,315.75
NetVD82_1: VD82.1 VD83.2 VS82.1 VS83.3 | length 33.4
  Top Layer w0.5: 294.725,311.625 294.6,311.75 293.668,311.75 293.375,312.043 293.375,318.725 295.15,320.5 VS82.1@299.05,320.5 ; VD82.1@298.7,311.75 298.7,307.225 300,305.925 VS83.3@300,302.5 302.025,302.5 302.45,302.075 302.45,295.75
NetVD83_1: VD83.1 VD84.2 VS83.1 VS84.3 | length 45
  Top Layer w0.5: VS84.3@280,322.5 282.025,322.5 282.45,322.075 282.45,315.75 ; VD84.2@281.3,313.25 286.275,313.25 291.475,308.05 295.475,304.05 295.475,300.625 ; 294.725,291.625 294.6,291.75 293.668,291.75 293.375,292.043 293.375,298.725 295.15,300.5 VS83.1@299.05,300.5
NetVD84_1: VD84.1 VD85.2 VS84.1 VS85.3 | length 35.7
  Top Layer w0.5: VS85.3@260,322.5 262.025,322.5 262.45,322.075 262.45,315.75 ; VD85.2@261.3,313.25 273.35,313.25 273.375,313.275 ; 274.725,311.625 274.6,311.75 273.668,311.75 273.375,312.043 273.375,313.275 ; VS84.1@279.05,320.5 275.15,320.5 273.375,318.725 273.375,313.275
NetVD86_1: VD86.1 VD87.2 VS86.1 VS87.3 | length 35.7
  Top Layer w0.5: VS87.3@280,282.5 282.025,282.5 282.45,282.075 282.45,275.75 ; VD87.2@281.3,273.25 293.275,273.25 293.375,273.35 ; 294.725,271.625 294.6,271.75 293.668,271.75 293.375,272.043 293.375,273.35 ; VS86.1@299.05,280.5 295.15,280.5 293.375,278.725 293.375,273.35
NetVD87_1: VD87.1 VD88.2 VS87.1 VS88.3 | length 48
  Top Layer w0.5: 274.725,271.625 274.6,271.75 273.668,271.75 273.375,272.043 273.375,278.725 275.15,280.5 VS87.1@279.05,280.5 ; 277.1,280.5 277.1,282.15 279.075,284.125 283.875,284.125 286.475,286.725 286.475,292.957 286.182,293.25 VD88.2@281.3,293.25 ; VS88.3@280,302.5 282.025,302.5 282.45,302.075 282.45,295.75
NetVD88_1: VD88.1 VD89.2 VS88.1 VS89.3 | length 35.7
  Top Layer w0.5: VS89.3@260,302.5 262.025,302.5 262.45,302.075 262.45,295.75 ; VD89.2@261.3,293.25 273.35,293.25 273.375,293.225 ; 274.725,291.625 274.6,291.75 273.668,291.75 273.375,292.043 273.375,293.225 ; VS88.1@279.05,300.5 275.15,300.5 273.375,298.725 273.375,293.225
NetVD89_1: VD89.1 VD90.2 VS89.1 VS90.3 | length 33.4
  Top Layer w0.5: 254.725,291.625 254.6,291.75 253.668,291.75 253.375,292.043 253.375,298.725 255.15,300.5 VS89.1@259.05,300.5 ; VD89.1@258.7,291.75 258.7,287.225 260,285.925 VS90.3@260,282.5 262.025,282.5 262.45,282.075 262.45,275.75
NetVD91_1: VD91.1 VD92.2 VS91.1 VS92.3 | length 33.4
  Top Layer w0.5: 294.725,251.625 294.6,251.75 293.668,251.75 293.375,252.043 293.375,258.725 295.15,260.5 VS91.1@299.05,260.5 ; VD91.1@298.7,251.75 298.7,247.225 300,245.925 VS92.3@300,242.5 302.025,242.5 302.45,242.075 302.45,235.75
NetVD92_1: VD92.1 VD93.2 VS92.1 VS93.3 | length 35.6
  Top Layer w0.5: VS93.3@280,242.5 282.025,242.5 282.45,242.075 282.45,235.75 ; VD93.2@281.3,233.25 293.375,233.25 ; 294.725,231.625 294.6,231.75 293.668,231.75 293.375,232.043 293.375,233.25 ; VS92.1@299.05,240.5 295.15,240.5 293.375,238.725 293.375,233.25
NetVD93_1: VD93.1 VD94.2 VS93.1 VS94.3 | length 48
  Top Layer w0.5: 274.725,231.625 274.6,231.75 273.668,231.75 273.375,232.043 273.375,238.725 275.15,240.5 VS93.1@279.05,240.5 ; 277.1,240.5 277.1,242.15 279.075,244.125 283.875,244.125 286.475,246.725 286.475,252.957 286.182,253.25 VD94.2@281.3,253.25 ; VS94.3@280,262.5 282.025,262.5 282.45,262.075 282.45,255.75
NetVD94_1: VD94.1 VD95.2 VS94.1 VS95.3 | length 35.7
  Top Layer w0.5: VS95.3@260,262.5 262.025,262.5 262.45,262.075 262.45,255.75 ; VD95.2@261.3,253.25 273.3,253.25 273.375,253.325 ; 274.725,251.625 274.6,251.75 273.668,251.75 273.375,252.043 273.375,253.325 ; VS94.1@279.05,260.5 275.15,260.5 273.375,258.725 273.375,253.325
NetVD96_1: VD96.1 VD97.2 VS96.1 VS97.3 | length 35.7
  Top Layer w0.5: VS97.3@280,222.5 282.025,222.5 282.45,222.075 282.45,215.75 ; VD97.2@281.3,213.25 293.35,213.25 293.375,213.275 ; 294.725,211.625 294.6,211.75 293.668,211.75 293.375,212.043 293.375,213.275 ; VS96.1@299.05,220.5 295.15,220.5 293.375,218.725 293.375,213.275
NetVD97_1: VD97.1 VD98.2 VS97.1 VS98.3 | length 45
  Top Layer w0.5: VS98.3@260,242.5 262.025,242.5 262.45,242.075 262.45,235.75 ; VD98.2@261.3,233.25 266.275,233.25 271.475,228.05 275.475,224.05 275.475,220.625 ; 274.725,211.625 274.6,211.75 273.668,211.75 273.375,212.043 273.375,218.725 275.15,220.5 VS97.1@279.05,220.5
NetVD98_1: VD98.1 VD99.2 VS98.1 VS99.3 | length 33.4
  Top Layer w0.5: 254.725,231.625 254.6,231.75 253.668,231.75 253.375,232.043 253.375,238.725 255.15,240.5 VS98.1@259.05,240.5 ; VD98.1@258.7,231.75 258.7,227.225 260,225.925 VS99.3@260,222.5 262.025,222.5 262.45,222.075 262.45,215.75
NetVD99_1: VD99.1 VD100.2 VS99.1 VS100.3 | length 33.4
  Top Layer w0.5: 254.725,211.625 254.6,211.75 253.668,211.75 253.375,212.043 253.375,218.725 255.15,220.5 VS99.1@259.05,220.5 ; VD99.1@258.7,211.75 258.7,207.225 260,205.925 VS100.3@260,202.5 262.025,202.5 262.45,202.075 262.45,195.75
NetVD101_1: VD101.1 VD102.2 VS101.1 VS102.3 | length 33.4
  Top Layer w0.5: 294.725,191.625 294.6,191.75 293.668,191.75 293.375,192.043 293.375,198.725 295.15,200.5 VS101.1@299.05,200.5 ; VD101.1@298.7,191.75 298.7,187.225 300,185.925 VS102.3@300,182.5 302.025,182.5 302.45,182.075 302.45,175.75
NetVD102_1: VD102.1 VD103.2 VS102.1 VS103.3 | length 32.3
  Top Layer w0.5: VS103.3@280,182.5 282.025,182.5 282.45,182.075 282.45,175.75 ; 284.675,173.225 293.3,173.225 293.375,173.15 ; 294.725,171.625 294.6,171.75 293.668,171.75 293.375,172.043 293.375,173.15 ; VS102.1@299.05,180.5 295.15,180.5 293.375,178.725 293.375,173.15
NetVD103_1: VD103.1 VD104.2 VS103.1 VS104.3 | length 48
  Top Layer w0.5: 274.725,171.625 274.6,171.75 273.668,171.75 273.375,172.043 273.375,178.725 275.15,180.5 277.1,180.5 ; VS103.1@279.05,180.5 277.1,180.5 ; VS104.3@280,202.5 282.025,202.5 282.45,202.075 282.45,195.75 ; VD104.2@281.3,193.25 286.182,193.25 286.475,192.957 286.475,186.725 283.875,184.125 279.075,184.125 277.1,182.15 277.1,180.5
NetVD104_1: VD104.1 VD105.2 VS104.1 VS105.3 | length 40.6
  Top Layer w0.5: VS105.3@260,182.5 262.45,182.5 270.85,182.5 274.825,186.475 274.825,189.25 ; 262.45,175.75 262.45,182.475 ; 274.725,191.625 274.6,191.75 273.668,191.75 273.375,192.043 273.375,198.725 275.15,200.5 VS104.1@279.05,200.5
NetVD106_1: VD106.1 VD107.2 VS106.1 VS107.3 | length 32.1
  Top Layer w0.5: VS107.3@280,162.5 282.025,162.5 282.45,162.075 282.45,155.75 ; 284.675,153.225 293.3,153.225 293.375,153.15 ; 294.6,151.75 293.668,151.75 293.375,152.043 293.375,153.15 ; VS106.1@299.05,160.5 295.15,160.5 293.375,158.725 293.375,153.15
NetVD107_1: VD107.1 VD108.2 VS107.1 VS108.3 | length 30.9
  Top Layer w0.5: 274.6,151.75 273.668,151.75 273.375,152.043 273.375,158.725 275.15,160.5 VS107.1@279.05,160.5 ; 278.875,149.5 278.875,146.075 280,144.95 VS108.3@280,142.5 282.025,142.5 282.45,142.075 282.45,135.75
NetVD108_1: VD108.1 VD109.2 VS108.1 VS109.3 | length 32.1
  Top Layer w0.5: VS109.3@260,142.5 262.025,142.5 262.45,142.075 262.45,135.75 ; 264.675,133.225 273.3,133.225 273.375,133.15 ; 274.6,131.75 273.668,131.75 273.375,132.043 273.375,133.15 ; VS108.1@279.05,140.5 275.15,140.5 273.375,138.725 273.375,133.15
NetVD109_1: VD109.1 VD110.2 VS109.1 VS110.3 | length 44.5
  Top Layer w0.5: 254.6,131.75 253.668,131.75 253.375,132.043 253.375,138.725 255.15,140.5 VS109.1@259.05,140.5 ; 257.65,140.5 257.65,142.975 260.15,145.475 265.65,145.475 266.575,146.4 266.575,152.775 266.125,153.225 264.819,153.225 ; VS110.3@260,162.5 262.025,162.5 262.45,162.075 262.45,155.75

## Text inside footprints (layer, text, board x,y; h text height)
VD117: Top Overlay "+" at 202.2,132.4 h1.6; Mechanical 13 "+" at 201.905,132.5 h1.25
VD118: Top Overlay "+" at 222.2,132.4 h1.6; Mechanical 13 "+" at 221.905,132.5 h1.25
VD119: Top Overlay "+" at 222.2,152.4 h1.6; Mechanical 13 "+" at 221.905,152.5 h1.25
VD120: Top Overlay "+" at 202.2,152.4 h1.6; Mechanical 13 "+" at 201.905,152.5 h1.25
VD121: Top Overlay "+" at 182.2,112.4 h1.6; Mechanical 13 "+" at 181.905,112.5 h1.25
VD122: Top Overlay "+" at 162.2,112.4 h1.6; Mechanical 13 "+" at 161.905,112.5 h1.25
VD123: Top Overlay "+" at 162.2,132.4 h1.6; Mechanical 13 "+" at 161.905,132.5 h1.25
VD124: Top Overlay "+" at 182.2,132.4 h1.6; Mechanical 13 "+" at 181.905,132.5 h1.25
VD125: Top Overlay "+" at 182.2,152.4 h1.6; Mechanical 13 "+" at 181.905,152.5 h1.25
VD126: Top Overlay "+" at 142.2,112.4 h1.6; Mechanical 13 "+" at 141.905,112.5 h1.25
VD127: Top Overlay "+" at 142.2,132.4 h1.6; Mechanical 13 "+" at 141.905,132.5 h1.25
VD128: Top Overlay "+" at 162.2,152.4 h1.6; Mechanical 13 "+" at 161.905,152.5 h1.25
VD129: Top Overlay "+" at 142.2,152.4 h1.6; Mechanical 13 "+" at 141.905,152.5 h1.25
VD130: Top Overlay "+" at 142.2,172.4 h1.6; Mechanical 13 "+" at 141.905,172.5 h1.25
VD131: Top Overlay "+" at 122.2,132.4 h1.6; Mechanical 13 "+" at 121.905,132.5 h1.25
VD132: Top Overlay "+" at 122.2,152.4 h1.6; Mechanical 13 "+" at 121.905,152.5 h1.25
VD133: Top Overlay "+" at 102.2,152.4 h1.6; Mechanical 13 "+" at 101.905,152.5 h1.25
VD134: Top Overlay "+" at 102.2,172.4 h1.6; Mechanical 13 "+" at 101.905,172.5 h1.25
VD135: Top Overlay "+" at 122.2,172.4 h1.6; Mechanical 13 "+" at 121.905,172.5 h1.25
VD136: Top Overlay "+" at 57.8,32.6 h1.6 r180; Mechanical 13 "+" at 58.095,32.5 h1.25 r180
VD137: Top Overlay "+" at 37.8,32.6 h1.6 r180; Mechanical 13 "+" at 38.095,32.5 h1.25 r180
VD138: Top Overlay "+" at 17.8,32.6 h1.6 r180; Mechanical 13 "+" at 18.095,32.5 h1.25 r180
VD139: Top Overlay "+" at 17.8,52.6 h1.6 r180; Mechanical 13 "+" at 18.095,52.5 h1.25 r180
VD140: Top Overlay "+" at 37.8,52.6 h1.6 r180; Mechanical 13 "+" at 38.095,52.5 h1.25 r180
VD141: Top Overlay "+" at 377.8,32.6 h1.6 r180; Mechanical 13 "+" at 378.095,32.5 h1.25 r180
VD142: Top Overlay "+" at 377.8,52.6 h1.6 r180; Mechanical 13 "+" at 378.095,52.5 h1.25 r180
VD143: Top Overlay "+" at 357.8,52.6 h1.6 r180; Mechanical 13 "+" at 358.095,52.5 h1.25 r180
VD144: Top Overlay "+" at 97.8,32.6 h1.6 r180; Mechanical 13 "+" at 98.095,32.5 h1.25 r180
VD145: Top Overlay "+" at 77.8,32.6 h1.6 r180; Mechanical 13 "+" at 78.095,32.5 h1.25 r180
VD146: Top Overlay "+" at 97.8,52.6 h1.6 r180; Mechanical 13 "+" at 98.095,52.5 h1.25 r180
VD147: Top Overlay "+" at 77.8,52.6 h1.6 r180; Mechanical 13 "+" at 78.095,52.5 h1.25 r180
VD148: Top Overlay "+" at 57.8,52.6 h1.6 r180; Mechanical 13 "+" at 58.095,52.5 h1.25 r180
VD149: Top Overlay "+" at 117.8,32.6 h1.6 r180; Mechanical 13 "+" at 118.095,32.5 h1.25 r180
VD150: Top Overlay "+" at 137.8,32.6 h1.6 r180; Mechanical 13 "+" at 138.095,32.5 h1.25 r180
VD151: Top Overlay "+" at 157.8,32.6 h1.6 r180; Mechanical 13 "+" at 158.095,32.5 h1.25 r180
VD152: Top Overlay "+" at 137.8,52.6 h1.6 r180; Mechanical 13 "+" at 138.095,52.5 h1.25 r180
VD153: Top Overlay "+" at 117.8,52.6 h1.6 r180; Mechanical 13 "+" at 118.095,52.5 h1.25 r180
VD154: Top Overlay "+" at 197.8,32.6 h1.6 r180; Mechanical 13 "+" at 198.095,32.5 h1.25 r180
VD155: Top Overlay "+" at 177.8,32.6 h1.6 r180; Mechanical 13 "+" at 178.095,32.5 h1.25 r180
VD156: Top Overlay "+" at 197.8,52.6 h1.6 r180; Mechanical 13 "+" at 198.095,52.5 h1.25 r180
VD157: Top Overlay "+" at 177.8,52.6 h1.6 r180; Mechanical 13 "+" at 178.095,52.5 h1.25 r180
VD158: Top Overlay "+" at 157.8,52.6 h1.6 r180; Mechanical 13 "+" at 158.095,52.5 h1.25 r180
VD159: Top Overlay "+" at 257.8,32.6 h1.6 r180; Mechanical 13 "+" at 258.095,32.5 h1.25 r180
VD160: Top Overlay "+" at 237.8,32.6 h1.6 r180; Mechanical 13 "+" at 238.095,32.5 h1.25 r180
VD161: Top Overlay "+" at 217.8,32.6 h1.6 r180; Mechanical 13 "+" at 218.095,32.5 h1.25 r180
VD162: Top Overlay "+" at 217.8,52.6 h1.6 r180; Mechanical 13 "+" at 218.095,52.5 h1.25 r180
VD163: Top Overlay "+" at 237.8,52.6 h1.6 r180; Mechanical 13 "+" at 238.095,52.5 h1.25 r180
VD164: Top Overlay "+" at 297.8,32.6 h1.6 r180; Mechanical 13 "+" at 298.095,32.5 h1.25 r180
VD165: Top Overlay "+" at 277.8,32.6 h1.6 r180; Mechanical 13 "+" at 278.095,32.5 h1.25 r180
VD166: Top Overlay "+" at 297.8,52.6 h1.6 r180; Mechanical 13 "+" at 298.095,52.5 h1.25 r180
VD167: Top Overlay "+" at 277.8,52.6 h1.6 r180; Mechanical 13 "+" at 278.095,52.5 h1.25 r180
VD168: Top Overlay "+" at 257.8,52.6 h1.6 r180; Mechanical 13 "+" at 258.095,52.5 h1.25 r180
VD169: Top Overlay "+" at 357.8,32.6 h1.6 r180; Mechanical 13 "+" at 358.095,32.5 h1.25 r180
VD170: Top Overlay "+" at 337.8,32.6 h1.6 r180; Mechanical 13 "+" at 338.095,32.5 h1.25 r180
VD171: Top Overlay "+" at 317.8,32.6 h1.6 r180; Mechanical 13 "+" at 318.095,32.5 h1.25 r180
VD172: Top Overlay "+" at 317.8,52.6 h1.6 r180; Mechanical 13 "+" at 318.095,52.5 h1.25 r180
VD173: Top Overlay "+" at 337.8,52.6 h1.6 r180; Mechanical 13 "+" at 338.095,52.5 h1.25 r180